# Allegro board 1155001-Timing_board_V3_20241024_1805_pcb.brd (continued)
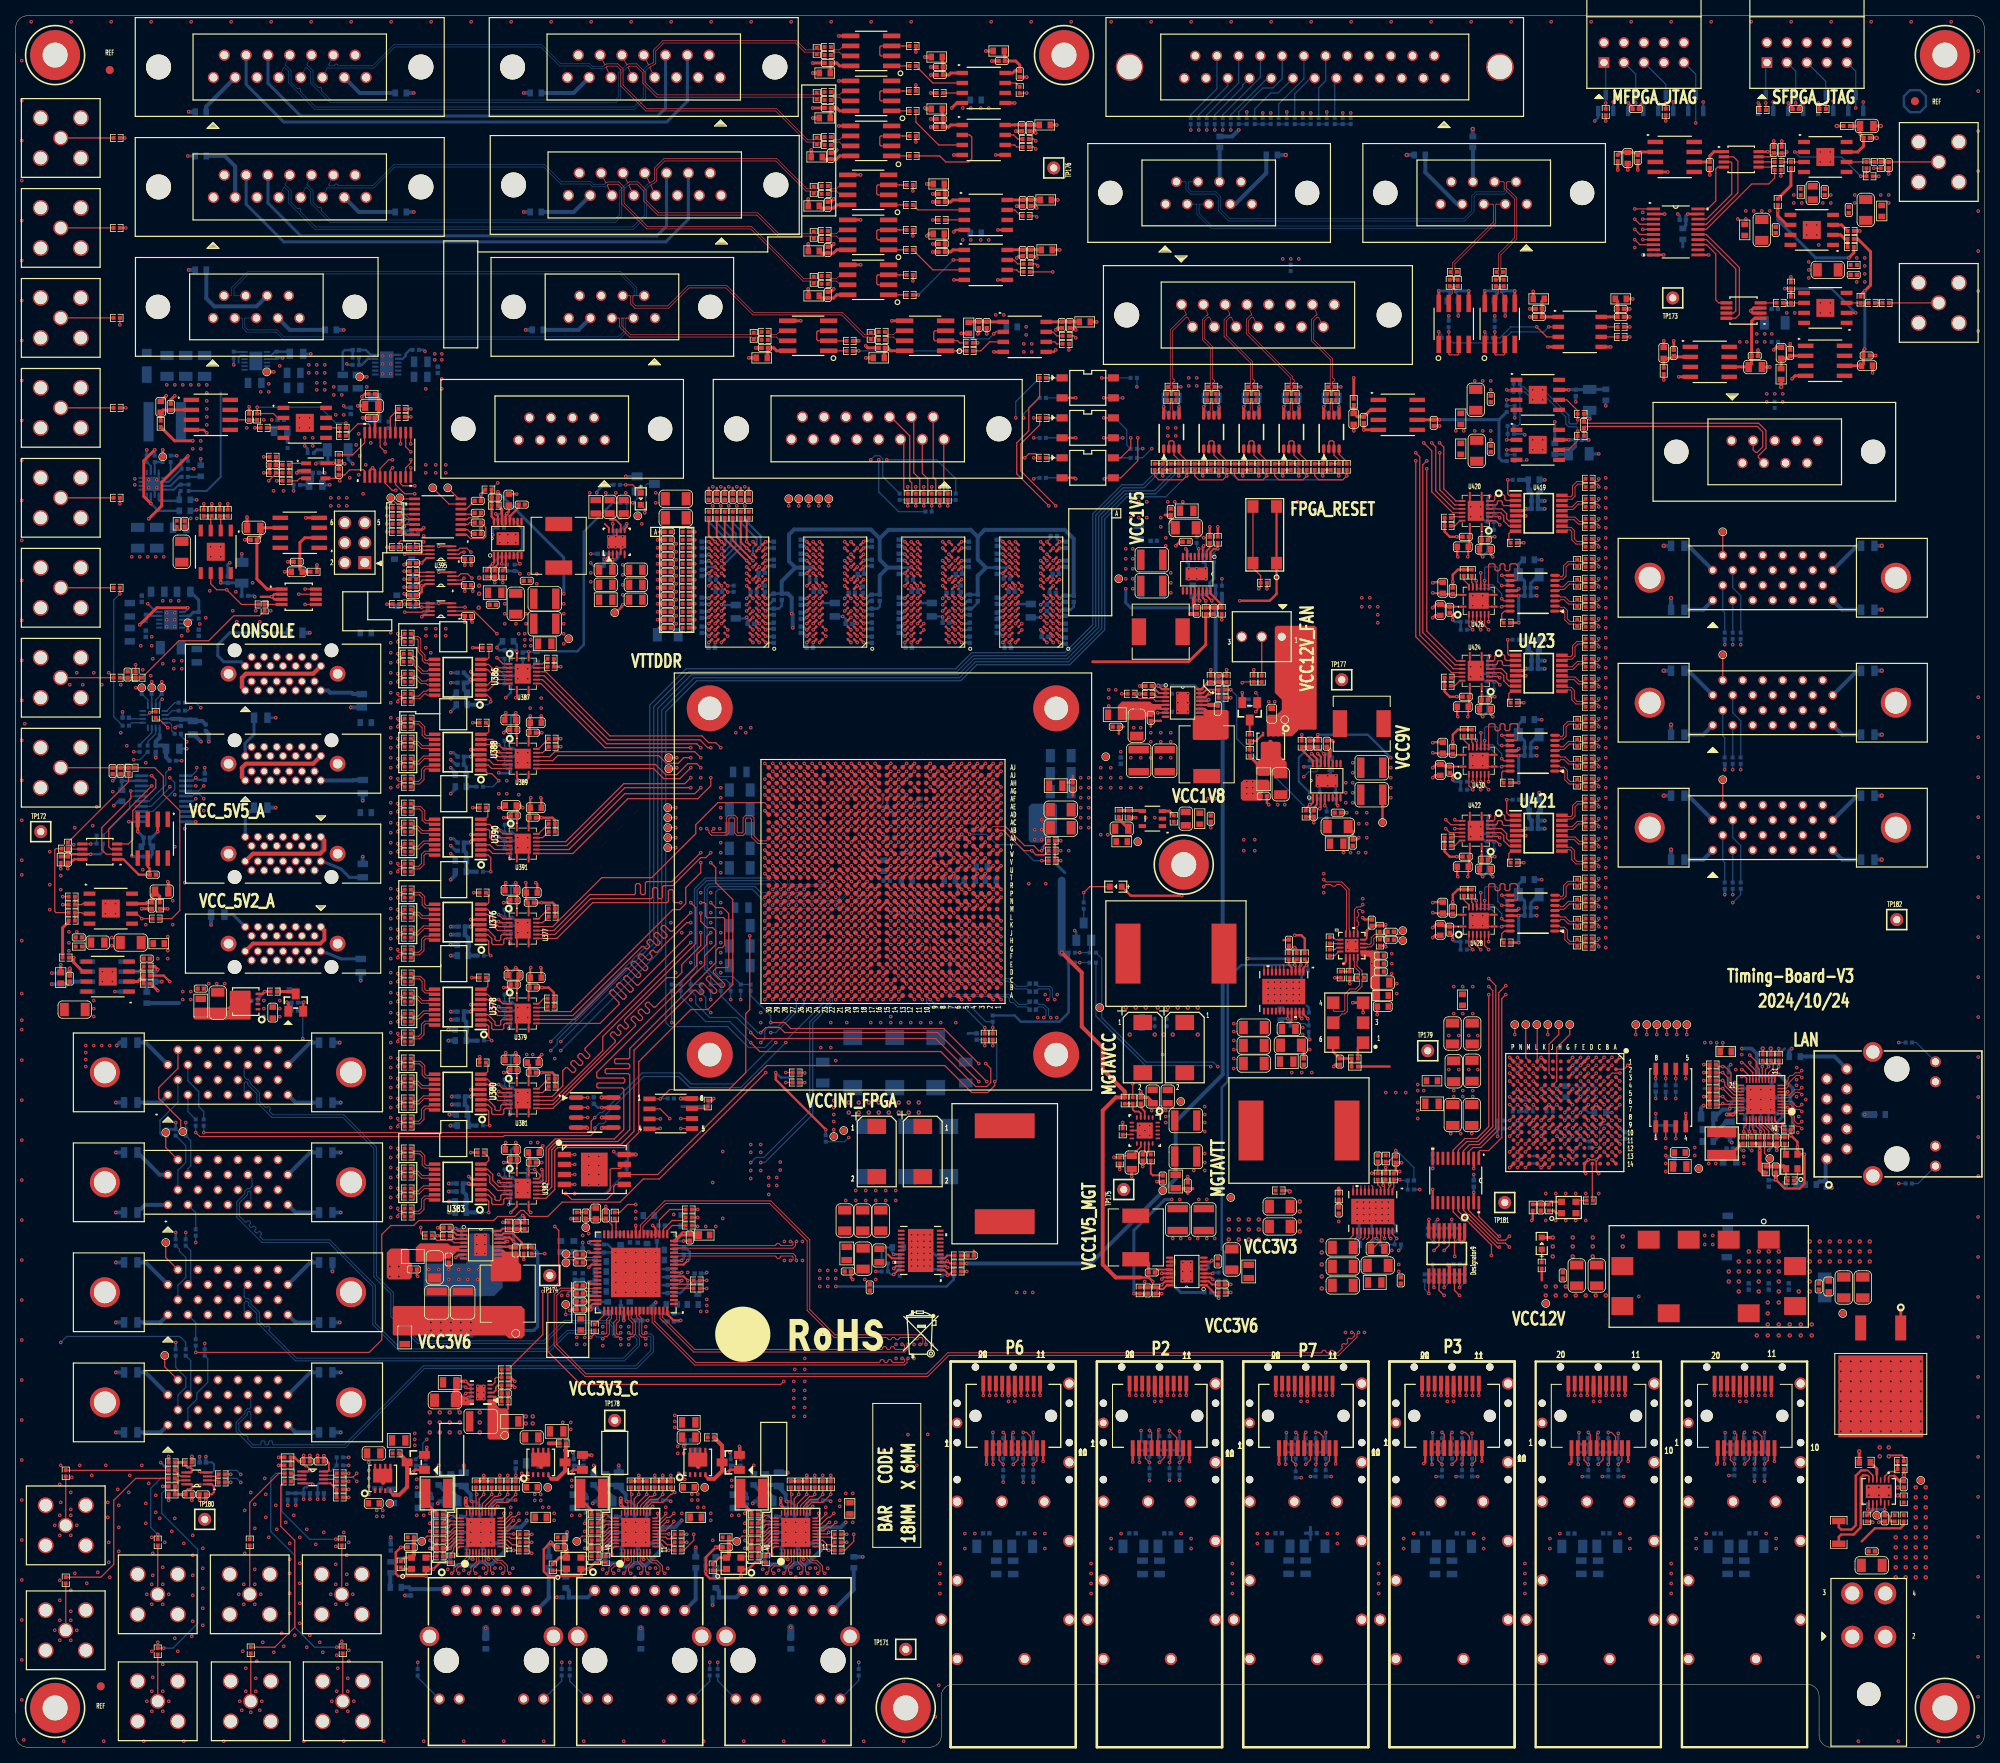
[diagram p0: board, top side]
## Routing (per net, layer and track width the routed paths; a pad name or vN(x,y) marks a point on that pad's centre or on a via; arc(x,y) is an arc through that point) (continued)
FPGA_CONFIG_D12: length 263.6
  TOP w0.157: U88.C4 v1(201.72,84.64) ; U247.P28 v1(97.14,108)
  ART03 w0.102: 94.64,109.4 94.92,109.4 94.92,109.4 96.47,109.4 96.63,109.24 96.63,108.51 v1(97.14,108)
  ART03 w0.117: 94.64,109.4 93.57,109.4 90.73,112.24 90.73,112.88 90.37,113.23 90.37,117.91 87.76,120.52 85.09,120.52 80.59,125.02 80.59,153.77 82.04,155.22 82.04,156.01 86.69,160.66 104.65,160.66 105.03,160.27 112.52,160.27 112.9,160.66 119,160.66 119.76,159.89 135,159.89 137.26,157.63 138.44,157.63 138.56,157.75 138.56,159.78 138.67,159.89 138.91,159.89 139.02,159.78 139.02,157.75 139.14,157.63 139.37,157.63 139.49,157.75 139.49,159.78 139.61,159.89 139.84,159.89 139.96,159.78 139.96,157.75 140.07,157.63 140.31,157.63 140.42,157.75 140.42,159.78 140.54,159.89 140.84,159.89 140.96,159.78 140.96,158.87 141.08,158.75 141.31,158.75 141.43,158.87 141.43,159.78 141.54,159.89 141.78,159.89 141.89,159.78 141.89,158.87 142.01,158.75 142.24,158.75 142.36,158.87 142.36,159.78 142.48,159.89 142.71,159.89 142.83,159.78 142.83,158.87 142.95,158.75 143.18,158.75 143.3,158.87 143.3,159.78 143.41,159.89 172.62,159.89 182.07,150.44 189.36,150.44 191.95,147.85 193.31,147.85 197.13,144.03 197.13,94.59 202.18,89.53 202.18,86.49 201.72,86.03 v1(201.72,84.64)
FPGA_CONFIG_D13: length 262.2
  TOP w0.157: U88.E4 v1(198.72,84.64) ; U247.T30 v1(95.14,111)
  ART03 w0.117: v1(95.14,111) 94.99,111.15 94.72,111.15 93.14,112.72 93.14,113.89 92.28,114.76 92.28,120.37 88.75,123.9 85.14,123.9 82.19,126.85 82.19,136.93 83.02,137.75 83.02,153.25 83.57,153.8 83.57,155.32 86.49,158.24 133.73,158.24 137.16,154.81 144.15,154.81 144.78,154.18 157.72,154.18 157.84,154.29 157.84,157.11 157.96,157.23 158.29,157.23 158.4,157.11 158.4,153.91 158.52,153.8 158.76,153.8 158.87,153.91 158.87,157.11 158.99,157.23 159.22,157.23 159.34,157.11 159.34,153.91 159.46,153.8 159.69,153.8 159.81,153.91 159.81,157.11 159.92,157.23 160.16,157.23 160.27,157.11 160.27,153.91 160.39,153.8 160.62,153.8 160.74,153.91 160.74,157.11 160.86,157.23 161.09,157.23 161.21,157.11 161.21,153.91 161.33,153.8 161.56,153.8 161.68,153.91 161.68,157.11 161.79,157.23 169.88,157.23 179.81,147.29 180.24,147.29 183.34,144.2 191.97,144.2 195.1,141.07 195.1,94.08 198.25,90.93 198.25,85.12 v1(198.72,84.64)
FPGA_CONFIG_D14: length 266
  TOP w0.157: U247.P26 v1(99.14,108) ; U88.D4 v1(199.72,84.64)
  ART03 w0.102: 94.63,110.11 94.76,109.98 97.72,109.98 98.68,109.02 98.68,108.46 v1(99.14,108)
  ART03 w0.117: 94.63,110.11 94.52,110.22 93.89,110.22 91.82,112.29 91.82,113.28 91.14,113.97 91.14,119.68 89.66,121.16 85.47,121.16 81.28,125.35 81.28,137.46 81.99,138.18 81.99,153.75 82.65,154.41 82.65,155.68 86.23,159.26 134.37,159.26 136.88,156.74 151.22,156.74 151.34,156.86 151.34,159.01 151.46,159.13 151.69,159.13 151.81,159.01 151.81,156.86 151.92,156.74 152.16,156.74 152.27,156.86 152.27,159.01 152.39,159.13 152.62,159.13 152.74,159.01 152.74,156.86 152.86,156.74 153.09,156.74 153.21,156.86 153.21,159.01 153.33,159.13 153.56,159.13 153.68,159.01 153.68,156.86 153.79,156.74 154.03,156.74 154.14,156.86 154.14,159.01 154.26,159.13 154.49,159.13 154.61,159.01 154.61,156.86 154.73,156.74 154.96,156.74 155.08,156.86 155.08,159.01 155.19,159.13 155.43,159.13 155.55,159.01 155.55,158.36 155.66,158.24 155.9,158.24 156.01,158.36 156.01,159.01 156.13,159.13 172.31,159.13 181.76,149.68 189,149.68 196.32,142.37 196.32,94.39 199.64,91.06 199.64,88.39 200.2,87.83 200.2,85.54 199.72,85.06 v1(199.72,84.64)
FPGA_CONFIG_D15: length 266.6
  TOP w0.157: U88.F3 v1(198.72,85.64) ; U247.R26 v1(99.14,109)
  ART03 w0.102: 94.64,110.52 94.88,110.28 97.86,110.28 v1(99.14,109)
  ART03 w0.117: 94.64,110.52 94.2,110.52 92.38,112.34 92.38,113.41 91.52,114.27 91.52,119.81 89.87,121.46 88.47,121.46 87.58,122.35 84.74,122.35 81.58,125.52 81.58,137.2 82.32,137.95 82.32,153.59 82.97,154.24 82.97,155.56 86.34,158.93 134.19,158.93 137.34,155.78 155.53,155.78 155.65,155.9 155.65,157.74 155.77,157.86 156.47,157.86 156.58,157.98 156.58,158.63 156.7,158.75 172.11,158.75 174.74,156.12 174.74,155.96 173.62,154.84 173.62,154.67 173.79,154.51 173.95,154.51 175.07,155.62 175.24,155.62 175.4,155.46 175.4,155.29 174.28,154.18 174.28,154.01 174.45,153.85 174.61,153.85 175.73,154.96 175.9,154.96 176.06,154.8 176.06,154.63 174.95,153.52 174.95,153.35 175.11,153.18 175.28,153.18 176.39,154.3 176.56,154.3 176.72,154.14 176.72,153.97 175.61,152.85 175.61,152.69 175.77,152.52 175.94,152.52 177.05,153.64 177.22,153.64 177.39,153.47 177.39,153.31 176.27,152.19 176.27,152.03 176.43,151.86 176.6,151.86 177.72,152.98 177.88,152.98 178.05,152.81 178.05,152.65 176.93,151.53 176.93,151.37 177.09,151.2 177.26,151.2 178.38,152.32 178.54,152.32 178.71,152.15 178.71,151.99 177.59,150.87 177.59,150.7 177.77,150.53 177.93,150.53 179.06,151.66 179.23,151.66 181.64,149.25 182.09,149.25 184.53,146.81 189.03,146.81 190.89,144.96 192.23,144.96 195.91,141.27 195.91,94.28 199.21,90.98 199.21,86.13 v1(198.72,85.64)
FPGA_CONFIG_RDWR_B: length 263.6
  TOP w0.157: U88.G1 v1(197.72,87.64) ; U247.U29 v1(96.14,112)
  ART03 w0.117: v1(96.14,112) 95.64,111.51 95,111.51 93.52,112.98 93.52,114.05 92.66,114.91 92.66,120.42 88.67,124.41 87.86,124.41 87.32,124.94 85.04,124.94 84.52,125.46 84.52,126.05 82.5,128.07 82.5,136.82 83.36,137.68 83.36,153.09 83.87,153.59 83.87,155.2 85.97,157.3 134.04,157.3 136.91,154.43 143.89,154.43 145.16,153.16 162.17,153.16 162.29,153.28 162.29,156.22 162.4,156.34 162.64,156.34 162.75,156.22 162.75,153.28 162.87,153.16 163.1,153.16 163.22,153.28 163.22,156.22 163.34,156.34 163.57,156.34 163.69,156.22 163.69,153.28 163.81,153.16 164.04,153.16 164.16,153.28 164.16,156.22 164.27,156.34 164.51,156.34 164.62,156.22 164.62,153.28 164.74,153.16 164.97,153.16 165.09,153.28 165.09,156.22 165.21,156.34 165.44,156.34 165.56,156.22 165.56,153.28 165.68,153.16 165.91,153.16 166.03,153.28 166.03,156.22 166.14,156.34 166.38,156.34 166.49,156.22 166.49,153.28 166.61,153.16 166.84,153.16 166.96,153.28 166.96,156.22 167.08,156.34 167.31,156.34 167.43,156.22 167.43,153.28 167.54,153.16 172.72,153.16 182.07,143.81 191.85,143.81 194.69,140.97 194.69,93.98 197.87,90.81 197.87,87.79 v1(197.72,87.64)
FPGA_DONE_R: length 26.5
  TOP w0.157: U247.M10 v1(116.14,106)
  ART08 w0.117: v1(116.14,106) 116.64,106.5 118.38,106.5 119.38,107.5 128.59,107.5 v1(135.13,100.97)
  BOTTOM w0.157: Q15.1 136.38,102.32 R680.1 v1(135.13,100.97) R395.2
FPGA_DONE_SFPGA: length 81.1
  TOP w0.157: U88.C1 v1(201.72,87.64)
  ART05 w0.117: v1(201.72,87.64) 201.21,88.16 201.04,88.16 196.62,88.16 193.24,84.79 193.24,83.36 193.01,83.13 188.16,83.13 185.82,85.47 179.96,85.47 177.8,87.63 159.1,87.63 158.53,87.06 153.96,87.06 153.39,86.49 v1(152.65,86.49)
  BOTTOM w0.157: v1(152.65,86.49) 152.09,87.05 143.58,87.05 137.92,92.71 137.92,100.22 R680.2
FPGA_GPIO_OUT1: length 192.9
  TOP w0.157: U247.A18 v1(107.14,95) ; R3369.1 v1(153.8,161.54) 153.29,161.04 150.24,161.04 149.73,161.54 R3363.1
  ART05 w0.117: v1(107.14,95) 107.14,94.93 106.24,94.04 106.1,94.04 104.39,92.33 104.39,91.19 103.31,90.11 102.43,90.11 99.92,87.6 95.04,87.6 91.63,84.19 73.55,84.19 v1(69.22,88.52)
  BOTTOM w0.157: v1(153.8,161.54) 153.29,162.05 147.54,162.05 144.75,159.26 140.94,159.26 137.92,156.24 137.92,142.14 133.7,137.92 121.89,137.92 119.86,135.89 86.15,135.89 82.04,131.78 82.04,101.35 v1(69.22,88.52)
FPGA_GPIO_OUT2: length 158.4
  TOP w0.157: U247.B22 v1(103.14,96) ; R3377.1 v1(148.72,161.54) 148.21,161.04 145.16,161.04 144.65,161.54 R3371.1
  BOTTOM w0.102: v1(103.14,96) 102.62,95.48 102.62,94.61 102.5,94.5
  BOTTOM w0.157: 102.5,94.5 98.04,90.04 96.27,90.04 95.12,88.9 93.09,88.9 90.42,91.57 83.06,91.57 82.55,92.08 82.55,131.57 86.49,135.51 120.02,135.51 122.05,137.54 133.86,137.54 138.3,141.99 138.3,156.08 141.1,158.88 146.05,158.88 v1(148.72,161.54)
FPGA_GPIO_OUT3: length 215.1
  TOP w0.157: R3385.1 v1(163.96,161.54) 163.45,161.04 160.4,161.04 159.89,161.54 R3379.1 ; U247.F16 v1(109.14,100)
  ART05 w0.102: 106.05,94.49 106.3,94.49 106.74,94.93 106.74,97.48 106.61,97.6 105.97,97.6 105.74,97.83 105.74,97.84 105.74,98.48 105.54,98.68 105.54,99.34 105.8,99.6 108.74,99.6 v1(109.14,100)
  ART05 w0.117: v1(67.94,89.66) 68.52,89.09 69.63,89.09 74.22,84.51 90.98,84.51 94.38,87.91 99.46,87.91 102.36,90.81 103.38,90.81 104.01,91.44 104.01,92.46 106.05,94.49
  BOTTOM w0.157: v1(163.96,161.54) 161.93,163.58 146.31,163.58 143.13,160.4 140.47,160.4 136.78,156.71 136.78,142.62 133.23,139.06 121.42,139.06 119.38,137.03 85.14,137.03 80.52,132.41 80.52,102.23 v1(67.94,89.66)
FPGA_INIT_B_R: length 11.3
  TOP w0.157: U247.A10 v1(116.14,95) ; R676.1 v1(124.08,91.44)
  BOTTOM w0.157: v1(124.08,91.44) R4.2 123.21,92.18 120.93,94.46 116.68,94.46 v1(116.14,95)
FPGA_INIT_B_SFPGA: length 86
  TOP w0.157: R676.2 v1(124.08,89.15) ; U88.E2 v1(199.72,86.64)
  ART05 w0.117: v1(199.72,86.64) 199.18,86.11 197.49,86.11 196.72,85.34 196.72,81.92 195.99,81.18 189.04,81.18 185.51,84.71 179.58,84.71 178.31,85.98 166.71,85.98 165.86,86.82 161.25,86.82 159.64,85.22 128.02,85.22 v1(124.08,89.15)
FPGA_M0: length 13
  TOP w0.157: U247.AB5 v1(121.14,116) ; R337.2 v1(130.3,112.65)
  BOTTOM w0.157: v1(121.14,116) 123.27,116 124.59,114.68 127.25,114.68 129.29,112.65 v1(130.3,112.65) R337.2
FPGA_M1: length 11.4
  TOP w0.102: U247.AB2 124.14,117 125.68,117
  TOP w0.157: 125.68,117 128.13,114.55 129.29,114.55 129.92,113.92 v1(130.3,113.92) 130.56,114.17 130.56,114.57 R338.2
  BOTTOM w0.157: R338.2 130.3,114.32 v1(130.3,113.92)
FPGA_M2: length 10.7
  TOP w0.157: R339.2 130.66,113.41 129.54,113.41 v1(129.03,113.92) 128.02,113.92 125.43,116.5 U247.AB1
  BOTTOM w0.157: v1(129.03,113.92) 129.67,113.28 130.54,113.28 R339.2
FPGA_MASTER_CLOCK_N: length 86.3
  TOP w0.122: v1(166.12,109.35) 166.12,109.39 166.34,109.62 167,109.62 167.21,109.41 167.57,109.41 167.78,109.62 168.26,109.62 169.01,108.87 169.01,103.83 168.92,103.75 U245.12
  ART03 w0.099: v1(166.12,109.35) 165.84,109.62 165.21,109.62 157.35,117.47 150.5,117.47 149.99,116.97 138.15,116.97 132.73,111.54 125.77,111.54 124.39,110.16 123.37,110.16 123.37,110.17 109.03,110.17 108.96,110.24 108.94,110.24
  ART03 w0.102: v1(103.14,110) 102.84,110 102.74,110.1 102.74,110.25 102.89,110.4 108.42,110.4 108.58,110.24 108.94,110.24
  BOTTOM w0.102: C941.2 98.04,110.13 98.04,109.67 98.31,109.4 102.52,109.4 102.74,109.62 102.74,109.9 102.84,110 v1(103.14,110)
FPGA_MASTER_CLOCK_P: length 86.3
  TOP w0.122: v1(166.12,110.24) 166.4,109.95 168.39,109.95 169.34,109.01 169.34,103.87 169.42,103.78 U245.11
  ART03 w0.099: v1(166.12,110.24) 165.84,109.96 165.35,109.96 157.5,117.82 150.35,117.82 149.84,117.31 138.01,117.31 132.59,111.89 125.63,111.89 124.25,110.51 124.24,110.51 123.37,110.51 109.03,110.51 108.96,110.44 108.94,110.44
  ART03 w0.102: v1(102.14,110) 102.43,110 102.54,110.1 102.54,110.33 102.81,110.6 108.51,110.6 108.67,110.44 108.94,110.44
  BOTTOM w0.102: v1(102.14,110) 102.43,110 102.54,109.9 102.54,109.7 102.43,109.6 98.39,109.6 98.24,109.76 98.24,110.13 C942.2
FPGA_PROG_B_R: length 25.4
  TOP w0.157: U247.K10 v1(116.14,104)
  ART08 w0.102: 116.3,104.17 v1(116.14,104)
  ART08 w0.117: 116.3,104.17 116.64,104.5 117.33,104.5 118.24,105.41 119.43,105.41 120.52,106.5 128.32,106.5 v1(135.13,99.69)
  BOTTOM w0.157: R678.1 v1(135.13,99.69) R42.2
FPGA_PROG_B_SFPGA: length 80
  TOP w0.157: U88.D2 v1(200.72,86.64)
  ART05 w0.117: v1(200.72,86.64) 200.25,87.12 197.49,87.12 195.2,84.84 195.2,83.46 194.92,83.19 194.44,83.19 194.23,82.98 194.23,82.4 193.98,82.14 188.61,82.14 185.66,85.09 179.8,85.09 177.64,87.25 159.26,87.25 158.68,86.67 154.11,86.67 153.42,85.98 152.27,85.98 v1(151.76,86.49)
  BOTTOM w0.157: R678.2 137.18,92.91 143.48,86.61 151.64,86.61 v1(151.76,86.49)
FPGA_RESET: length 103
  TOP w0.157: v1(157.86,147.19) 158.1,147.43 R41.1 158.1,148.86 157.12,149.84 SW8.3 SW8.4 ; U247.M19 v1(106.14,106)
  ART05 w0.117: v1(106.14,106) 106.69,106.55 109.73,106.55 110.11,106.93 110.11,109.35 110.92,110.16 129.36,110.16 130.3,109.22 131.95,109.22 138.05,115.32 154.56,115.32 v1(155.96,113.92)
  ART08 w0.117: v1(155.96,113.92) 154.93,114.94 154.93,136.27 156.97,138.31 156.97,146.3 v1(157.86,147.19)
FPGA_RGMII_MDC: length 127.3
  TOP w0.157: R2463.2 v1(100.2,84.45) ; v1(85.22,26.04) R2469.2 ; v1(65.53,26.04) R2743.2 ; v1(105.54,26.04) R2500.2
  ART08 w0.117: v1(100.2,84.45) 93.68,77.93 92.64,77.93 89.74,75.03 82.65,75.03 75.06,67.44 75.06,56.13 73.58,54.66 73.58,50.61 71.93,48.96 71.93,37.78 69.26,35.12 69.26,28.88 68.47,28.08 65.53,28.08 65.02,27.58 65.02,26.54 v1(65.53,26.04) 67.31,26.04 68.26,25.08 71.69,25.08 72.01,24.77 72.77,24.77 73.53,24 76.07,24 76.45,24.38 83.57,24.38 v1(85.22,26.04) 86.49,26.04 87.7,24.82 94.69,24.82 95.63,23.88 96.52,23.88 97.28,24.64 100.71,24.64 101.22,24.13 103.63,24.13 v1(105.54,26.04)
  BOTTOM w0.157: R2463.2 v1(100.2,84.45)
FPGA_RGMII_MDC_R: length 22.7
  TOP w0.157: R2463.1 v1(97.79,84.45) ; U247.B14 v1(111.14,96)
  ART05 w0.102: v1(111.14,96) 111.14,95.87 111.54,95.47 111.54,94.83 111.2,94.5
  ART05 w0.117: v1(97.79,84.45) 98.3,83.95 103,83.95 110.29,91.24 110.29,93.59 111.2,94.5
FPGA_RGMII_MDIO: length 127.1
  TOP w0.157: v1(85.22,27.05) R2470.2 ; v1(100.2,85.67) 100.15,85.72 R2464.2 ; v1(65.53,27.05) R2744.2 ; v1(105.54,27.05) R2501.2
  ART08 w0.117: v1(105.54,27.05) 105.06,26.57 105.06,26.12 103.4,24.46 101.52,24.46 100.84,25.15 96.9,25.15 96.27,25.78 92.33,25.78 92.3,25.81 87.34,25.81 86.74,26.42 85.85,26.42 v1(85.22,27.05) 84.84,26.67 75.31,26.67 74.42,25.78 70.1,25.78 69.22,26.67 65.91,26.67 v1(65.53,27.05) 66.23,27.74 68.77,27.74 69.72,28.7 69.72,34.92 72.39,37.59 72.39,48.77 74.04,50.42 74.04,54.36 75.56,55.88 75.56,67.44 82.8,74.68 89.89,74.68 92.79,77.58 94.22,77.58 100.71,84.07 100.71,85.22 100.25,85.67 v1(100.2,85.67)
  BOTTOM w0.157: R2464.2 100.15,85.72 v1(100.2,85.67)
FPGA_RGMII_MDIO_R: length 19.2
  TOP w0.157: R2464.1 v1(97.79,85.72) ; U247.A15 v1(110.14,95)
  ART05 w0.117: v1(97.79,85.72) 98.16,86.09 103.62,86.09 108.13,90.6 108.13,92.79 110.14,94.8 v1(110.14,95)
FPGA_SFP1_4_IIC_SCL: length 168.3
  TOP w0.157: U432.14 182.71,58.05 v1(183.36,57.4) ; U247.D28 v1(97.14,98)
  ART03 w0.102: 96.9,94.23 96.9,94.45 96.74,94.61 96.74,97.6 v1(97.14,98)
  ART03 w0.117: 96.9,94.23 98.55,92.58 98.55,71.16 92.96,65.57 92.96,42.67 97.92,37.72 v1(110.24,37.72)
  ART05 w0.117: v1(110.24,37.72) 110.74,37.21 111.76,37.21 111.89,37.34 167.26,37.34 176.28,46.35 177.55,46.35 183.36,52.17 v1(183.36,57.4)
  BOTTOM w0.157: v1(183.36,57.4) 182.75,58.01 182.75,59.04 R124.2
FPGA_SFP1_4_IIC_SDA: length 165.1
  TOP w0.157: U247.B29 v1(96.14,96) ; U432.15 v1(183.36,58.42)
  ART03 w0.102: 96.54,94.36 96.54,95.6 v1(96.14,96)
  ART03 w0.117: 96.54,94.36 96.54,94.08 98.25,92.37 98.25,71.28 92.58,65.62 92.58,42.55 97.9,37.23 110.77,37.23 v1(111.25,37.72)
  ART05 w0.117: v1(111.25,37.72) 167.1,37.72 176.12,46.74 177.39,46.74 182.88,52.23 182.88,57.94 v1(183.36,58.42)
  BOTTOM w0.157: v1(183.36,58.42) 184.02,59.08 R123.2
FPGA_SFP1_4_RESET_B: length 170.7
  TOP w0.157: U247.G25 v1(100.14,101) ; v1(182.75,62.36) 182.71,62.4 U432.3
  ART03 w0.102: v1(100.14,101) 100.58,100.55 100.58,98.81 100.97,98.42 101.47,98.42 101.73,98.17 101.73,97.66 101.85,97.54 102.36,97.54 102.54,97.36 102.54,94.36
  ART03 w0.117: v1(115.82,39.75) 113.97,41.61 100,41.61 99.06,42.55 98.3,42.55 96.77,44.07 96.77,65.02 102.23,70.48 102.23,88.14 102.74,88.65 102.74,93.74 102.54,93.95 102.54,94.36
  ART05 w0.117: v1(115.82,39.75) 122.43,39.75 123.09,39.09 130.48,39.09 130.89,39.5 168.28,39.5 173.99,45.21 173.99,46.35 182.37,54.74 182.37,61.98 v1(182.75,62.36)
  BOTTOM w0.157: v1(182.75,62.36) 182.75,64.18 183.39,64.81 R513.2
FPGA_SFP1_IIC_SCL: length 35.8
  TOP w0.157: U432.5 v1(181.41,64.14) ; v1(182.41,40.01) 182.21,39.81 P3.5
  ART05 w0.117: v1(181.41,64.14) 182.5,64.14 183.69,62.94 183.69,61.16 184.4,60.45 184.4,51.78 177.98,45.36 177.98,44.43 v1(182.41,40.01)
  BOTTOM w0.102: R516.2 v1(182.41,40.01)
  BOTTOM w0.157: v1(181.41,64.14) 181.36,64.19 R128.2
FPGA_SFP1_IIC_SDA: length 37.3
  TOP w0.157: v1(181.14,40.01) 181.41,39.73 P3.4 ; U432.4 182.06,63.77 v1(181.41,63.12)
  ART05 w0.117: v1(181.41,63.12) 182.88,63.12 183.26,62.74 183.26,60.83 183.9,60.2 183.9,52.07 177.42,45.59 177.42,44.2 181.14,40.48 v1(181.14,40.01)
  BOTTOM w0.102: R517.2 v1(181.14,40.01)
  BOTTOM w0.157: R127.2 182.06,64.82 182.06,63.77 v1(181.41,63.12)
FPGA_SFP1_LOS: length 153.9
  TOP w0.157: P3.8 184.61,39.49 184.09,40.01 v1(183.68,40.01) ; U247.E23 v1(102.14,99)
  ART03 w0.117: v1(100.2,46.48) 115.95,46.48 120.02,50.55 170.94,50.55 180.74,40.75 182.93,40.75 v1(183.68,40.01)
  ART10 w0.102: 102.74,94.5 102.74,98.4 v1(102.14,99)
  ART10 w0.117: 102.74,94.5 102.74,93.99 100.61,91.87 100.61,88.58 98.36,86.32 98.36,82.99 92.84,77.47 92.84,71.12 94.23,69.72 94.23,51.81 98.92,47.12 99.57,47.12 v1(100.2,46.48)
  BOTTOM w0.102: R14.2 v1(183.68,40.01)
FPGA_SFP1_MOD_DETECT: length 154.9
  TOP w0.157: P3.6 183.01,36.54 v1(182.41,35.94) ; U247.A23 v1(102.14,95)
  ART03 w0.117: v1(182.41,35.94) 178.21,40.13 174.75,40.13 172.79,42.1 172.79,47.77 170.52,50.04 120.06,50.04 115.36,45.34 v1(100.2,45.34)
  ART10 w0.102: 102.14,94.5 v1(102.14,95)
  ART10 w0.117: 102.14,94.5 102.14,94.23 99.9,91.98 99.9,89.49 97.06,86.66 97.06,82.71 92.08,77.72 92.08,70.8 93.47,69.41 93.47,51.31 98.17,46.61 98.17,46.29 98.42,46.04 99.5,46.04 v1(100.2,45.34)
  BOTTOM w0.102: R13.2 v1(182.41,35.94)
FPGA_SFP1_RX_N: length 114.5
  TOP w0.122: P3.12 v1(185.01,44.7) ; U247.K5 v1(121.14,104)
  ART10 w0.099: 125.43,100.6 125.45,100.6 125.52,100.67 127.41,100.67 arc(128.34,100.49) 129.12,99.96 135.4,93.69 arc(136.02,92.76) 136.23,91.67 136.23,63.16 arc(136.38,62.44) 136.79,61.82 145.96,52.65 arc(147.21,51.82) 148.67,51.52 180.84,51.52 arc(181.82,51.33) 182.65,50.77 184.13,49.29 arc(184.61,48.58) 184.78,47.74 184.78,45.08 arc(184.81,44.94) 184.89,44.83 v1(185.01,44.7)
  ART10 w0.102: 125.43,100.6 119.97,100.6 arc(119.81,100.67) 119.74,100.83 119.74,103.25 arc(119.78,103.36) 119.89,103.4 120.4,103.4 arc(120.65,103.5) 120.75,103.75 120.75,103.9 arc(120.78,103.97) 120.85,104 v1(121.14,104)
FPGA_SFP1_RX_P: length 114.3
  TOP w0.122: U247.K6 v1(120.14,104) ; P3.13 v1(184.21,44.7)
  ART10 w0.099: v1(184.21,44.7) 184.33,44.83 arc(184.41,44.94) 184.43,45.08 184.43,47.74 arc(184.29,48.45) 183.89,49.05 182.41,50.53 arc(181.69,51.01) 180.84,51.18 148.67,51.18 arc(147.07,51.5) 145.72,52.4 136.54,61.58 arc(136.06,62.3) 135.89,63.16 135.89,91.67 arc(135.7,92.63) 135.15,93.45 128.88,99.72 arc(128.21,100.17) 127.41,100.33 125.52,100.33 125.45,100.4 125.43,100.4
  ART10 w0.102: 125.43,100.4 119.97,100.4 arc(119.66,100.52) 119.54,100.83 119.54,103.25 arc(119.64,103.5) 119.89,103.6 120.4,103.6 arc(120.51,103.64) 120.55,103.75 120.55,103.9 arc(120.52,103.97) 120.45,104 v1(120.14,104)
FPGA_SFP1_TX_FAULT: length 157.5
  TOP w0.157: P3.2 179.81,36.13 179.87,36.07 v1(179.87,35.94) ; U247.F23 v1(102.14,100)
  ART03 w0.117: v1(179.87,35.94) 176.06,39.75 174.5,39.75 172.34,41.91 172.34,47.5 170.31,49.53 120.14,49.53 115.44,44.83 99.95,44.83 99.69,45.09 99.69,45.59 v1(98.81,46.48)
  ART10 w0.102: 102.45,94.5 102.45,94.7 102.54,94.79 102.54,98.31 102.37,98.48 102.01,98.48 101.74,98.75 101.74,99.6 v1(102.14,100)
  ART10 w0.117: v1(98.81,46.48) 93.85,51.44 93.85,69.57 92.46,70.96 92.46,77.6 97.36,82.5 97.36,86.54 100.19,89.37 100.19,91.86 102.45,94.12 102.45,94.5
  BOTTOM w0.102: R11.2 v1(179.87,35.94)
FPGA_SFP1_TX_N: length 101.3
  TOP w0.122: P3.19 v1(179.41,44.7) ; U247.K1 v1(125.14,104)
  ART08 w0.099: v1(179.41,44.7) 179.54,44.7 arc(179.61,44.67) 179.63,44.6 179.63,44.3 arc(179.61,44.23) 179.54,44.2 177.92,44.2 arc(177.67,44.25) 177.46,44.39 177.3,44.54 arc(177.26,44.64) 177.3,44.74 177.3,44.74 arc(177.35,44.84) 177.3,44.94 177.23,45.02 arc(177.13,45.07) 177.02,45.02 arc(176.92,44.98) 176.82,45.02 176.74,45.1 arc(176.7,45.2) 176.74,45.3 arc(176.79,45.4) 176.74,45.51 176.67,45.58 arc(176.56,45.63) 176.46,45.58 arc(176.36,45.54) 176.26,45.58 176.18,45.66 arc(176.14,45.76) 176.18,45.86 arc(176.22,45.97) 176.18,46.07 176.1,46.15 arc(176,46.19) 175.9,46.15 arc(175.8,46.1) 175.7,46.15 175.62,46.22 arc(175.58,46.32) 175.62,46.43 arc(175.66,46.53) 175.62,46.63 175.54,46.71 arc(175.44,46.75) 175.34,46.71 arc(175.24,46.66) 175.14,46.71 175.06,46.78 arc(175.02,46.89) 175.06,46.99 arc(175.1,47.09) 175.06,47.19 174.98,47.27 arc(174.88,47.31) 174.78,47.27 arc(174.68,47.22) 174.58,47.27 172.72,49.12 arc(171.89,49.68) 170.91,49.87 156.5,49.87 arc(156.23,49.93) 156,50.08 154.82,51.26 arc(154.2,51.67) 153.48,51.82 147.05,51.82 arc(146.44,51.94) 145.92,52.28 136.75,61.45 arc(136.37,62.03) 136.23,62.71 136.23,90.47 arc(135.77,92.81) 134.44,94.79 125.24,104 v1(125.14,104)
FPGA_SFP1_TX_P: length 101.3
  TOP w0.122: U247.K2 v1(124.14,104) ; P3.18 v1(180.21,44.7)
  ART08 w0.099: v1(180.21,44.7) 180.08,44.7 arc(180.01,44.67) 179.98,44.6 179.98,44.3 arc(179.85,43.98) 179.54,43.85 177.92,43.85 arc(177.54,43.93) 177.21,44.15 172.48,48.88 arc(171.76,49.36) 170.91,49.53 156.5,49.53 arc(156.1,49.61) 155.76,49.84 154.58,51.01 arc(154.07,51.35) 153.47,51.47 147.05,51.47 arc(146.31,51.62) 145.68,52.04 136.51,61.21 arc(136.05,61.9) 135.89,62.71 135.89,90.47 arc(135.45,92.68) 134.2,94.55 125.39,103.36 arc(125.23,103.47) 125.04,103.5 124.84,103.5 arc(124.65,103.54) 124.49,103.65 v1(124.14,104)
FPGA_SFP1_VCCR: length 1.5
  TOP w0.508: P3.15 v1(182.61,44.7)
  vias: v1(182.61,43.94)
FPGA_SFP1_VCCT: length 1.5
  TOP w0.508: P3.16 v1(181.81,44.7)
  vias: v1(181.81,43.94)
FPGA_SFP2_IIC_SCL: length 56.7
  TOP w0.157: P2.5 145.06,40.21 v1(145.18,40.33) ; U432.7 v1(180.11,64.14)
  ART05 w0.117: v1(180.11,64.14) 180.72,63.53 180.72,62.1 180.97,61.85 180.97,57.38 172.84,49.25 153.51,49.25 150.05,45.78 150.05,44.51 146.43,40.89 145.74,40.89 v1(145.18,40.33)
  BOTTOM w0.157: R520.2 145.25,40.26 v1(145.18,40.33) ; v1(180.11,64.14) 179.32,64.92 R131.2
FPGA_SFP2_IIC_SDA: length 58.6
  TOP w0.157: v1(143.98,40.26) 144.26,39.99 P2.4 ; U432.6 180.76,63.75 180.75,63.75 v1(180.11,63.12)
  ART05 w0.117: v1(143.98,40.26) 145.13,41.4 146.3,41.4 149.6,44.7 149.6,45.97 153.3,49.67 172.66,49.67 180.55,57.55 180.55,61.51 180.11,61.95 v1(180.11,63.12)
  BOTTOM w0.102: R521.2 v1(143.98,40.26)
  BOTTOM w0.157: v1(180.11,63.12) 180.76,63.77 180.76,64.71 R132.2
FPGA_SFP2_LOS: length 120.5
  TOP w0.157: v1(146.52,40.26) 147.46,39.33 P2.8 ; U247.G23 v1(102.14,101)
  ART03 w0.117: v1(146.52,40.26) 146.02,39.75 137.41,39.75 136.27,40.89 121.28,40.89 119.76,42.42 118.62,42.42 116.71,44.32 v1(100.2,44.32)
  ART10 w0.102: 100.74,94.5 100.74,96.17 101.18,96.6 101.43,96.6 101.54,96.71 101.54,100.4 v1(102.14,101)
  ART10 w0.117: 100.74,94.5 100.74,94.08 98.93,92.27 98.93,90.04 94.74,85.85 94.74,81.92 88.9,76.07 88.9,74.23 91.16,71.97 91.16,70.57 92.71,69.03 92.71,50.16 98.04,44.83 99.69,44.83 v1(100.2,44.32)
  BOTTOM w0.102: R21.2 v1(146.52,40.26)
FPGA_SFP2_MOD_DETECT: length 118.8
  TOP w0.157: U247.E25 v1(100.14,99) ; v1(145.25,36.2) 145.86,36.8 P2.6
  ART03 w0.117: v1(145.25,36.2) 144.11,37.34 137.54,37.34 135.33,39.55 122.05,39.55 121.59,40.01 118.36,40.01 115.19,43.18 v1(100.2,43.18)
  ART10 w0.102: v1(100.14,99) 100.58,98.55 100.58,96.62 100.48,96.52 100.08,96.52 99.74,96.18 99.74,94.5
  ART10 w0.117: v1(100.2,43.18) 99.69,43.69 98.04,43.69 91.95,49.78 91.95,68.71 90.4,70.26 90.4,71.65 88.14,73.92 88.14,76.39 93.98,82.23 93.98,86 97,89.03 97,91.22 99.74,93.96 99.74,94.5
  BOTTOM w0.102: R22.2 v1(145.25,36.2)
FPGA_SFP2_RX_N: length 70.1
  TOP w0.122: P2.12 v1(147.86,44.7)
  TOP w0.157: U247.E3 v1(123.14,99)
  ART10 w0.099: 125.6,98.6 125.63,98.6 125.7,98.67 126.25,98.67 arc(126.46,98.63) 126.64,98.51 127.57,97.58 arc(127.87,97.13) 127.98,96.59 127.98,86.87 arc(128.09,86.3) 128.42,85.81 129.9,84.33 arc(130.36,84.02) 130.91,83.91 131.54,83.91 arc(132.18,83.78) 132.73,83.42 133.82,82.32 arc(134.1,81.9) 134.2,81.4 134.2,62.36 arc(134.35,61.6) 134.79,60.95 147.21,48.53 arc(147.52,48.06) 147.63,47.51 147.63,45.08 arc(147.66,44.94) 147.74,44.82 v1(147.86,44.7)
  ART10 w0.102: v1(123.14,99) 122.83,99 arc(122.76,98.97) 122.73,98.9 122.73,98.75 arc(122.77,98.64) 122.87,98.6 125.6,98.6
FPGA_SFP2_RX_P: length 70.1
  TOP w0.122: P2.13 v1(147.06,44.7)
  TOP w0.157: U247.E4 v1(122.14,99)
  ART10 w0.099: 125.6,98.4 125.63,98.4 125.7,98.33 126.25,98.33 arc(126.33,98.31) 126.4,98.27 127.33,97.33 arc(127.56,96.99) 127.64,96.59 127.64,86.87 arc(127.78,86.17) 128.18,85.56 129.66,84.08 arc(130.23,83.7) 130.91,83.57 131.54,83.57 arc(132.05,83.46) 132.48,83.17 133.58,82.08 arc(133.79,81.77) 133.86,81.4 133.86,62.36 arc(134.04,61.47) 134.54,60.7 146.97,48.28 arc(147.2,47.93) 147.29,47.51 147.29,45.79 arc(147.27,45.74) 147.21,45.72 arc(147.16,45.7) 147.14,45.65 147.14,45.39 arc(147.16,45.34) 147.21,45.32 arc(147.27,45.3) 147.29,45.25 147.29,45.09 arc(147.26,44.95) 147.18,44.83 v1(147.06,44.7)
  ART10 w0.102: 125.6,98.4 122.87,98.4 arc(122.63,98.5) 122.52,98.75 122.52,98.9 arc(122.49,98.97) 122.42,99 v1(122.14,99)
